# Altium PCB shoubing1.PcbDoc
Units mil, origin at the board's own origin, x right, y up, seen from the top; angles counter-clockwise.
Board outline 3891.38 x 2896.04 mil, 2 copper layers (Top Layer, Bottom Layer); 32 components, 50 nets, 141 pads, 56 vias.
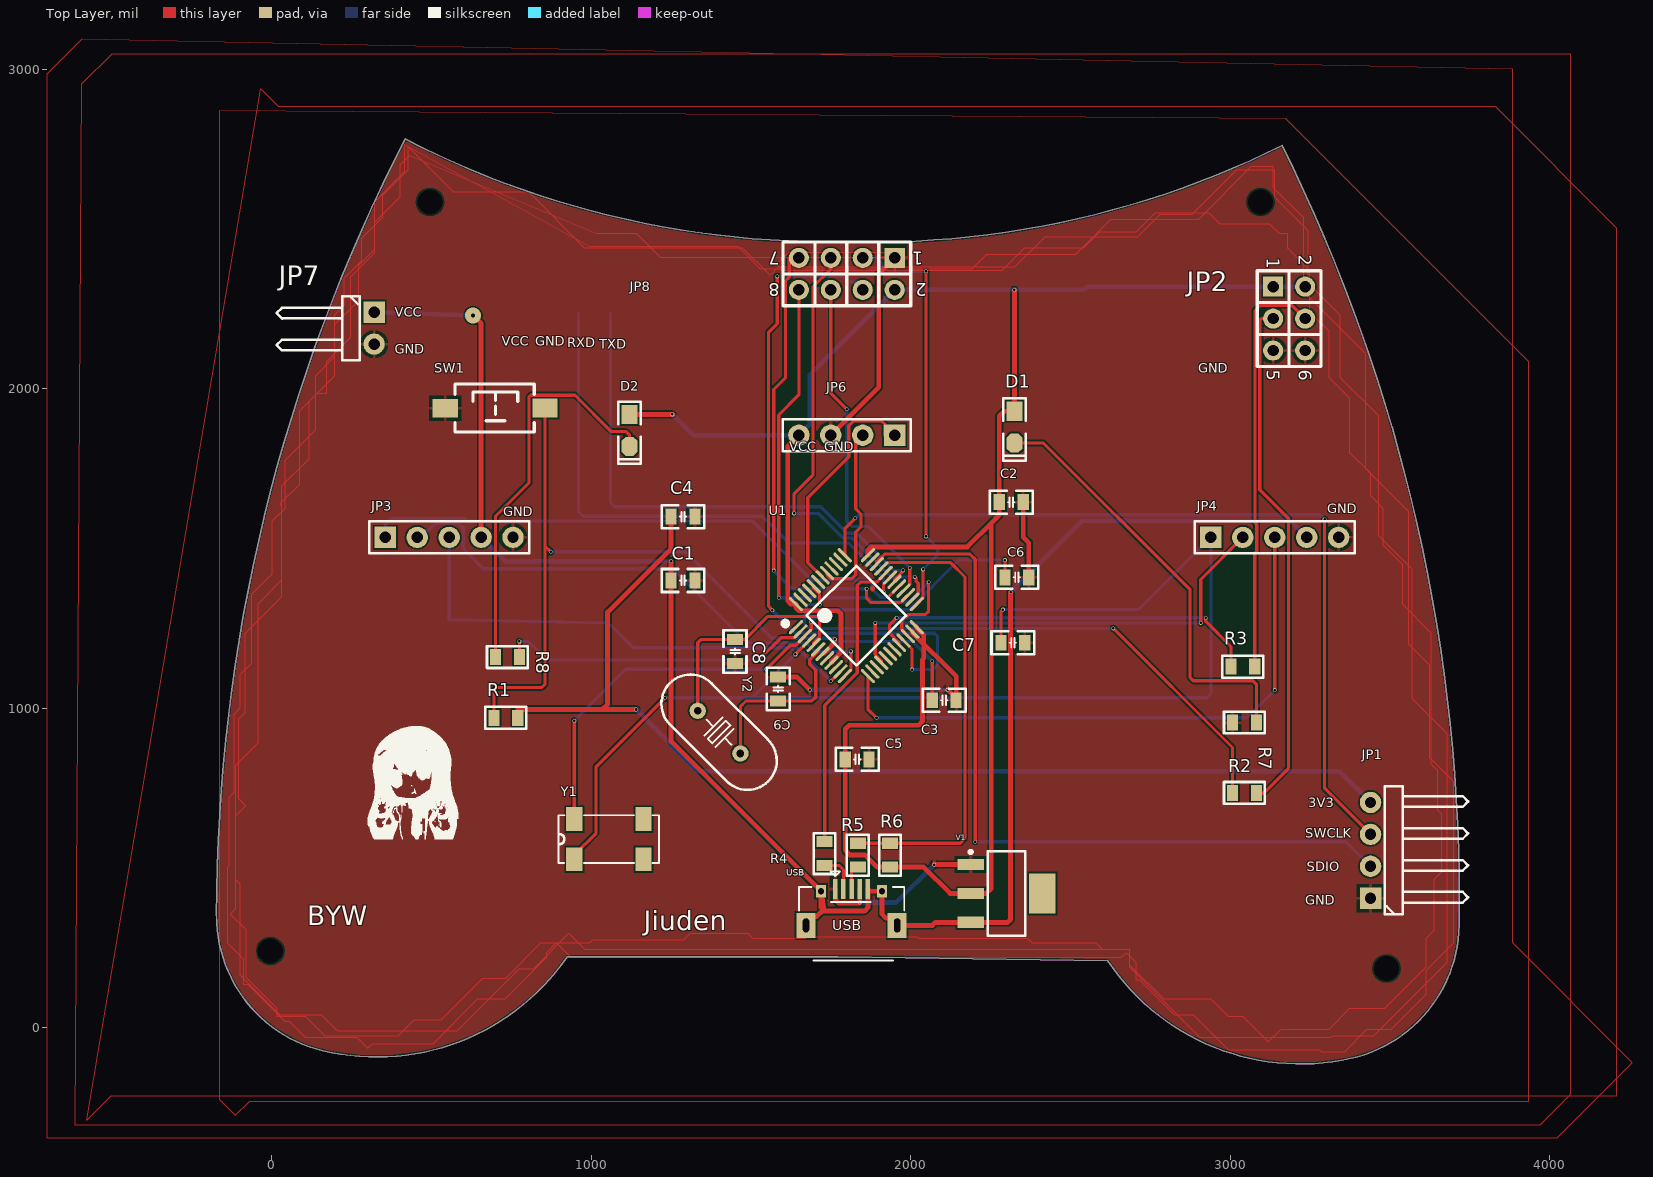
[diagram p0: Top Layer view]
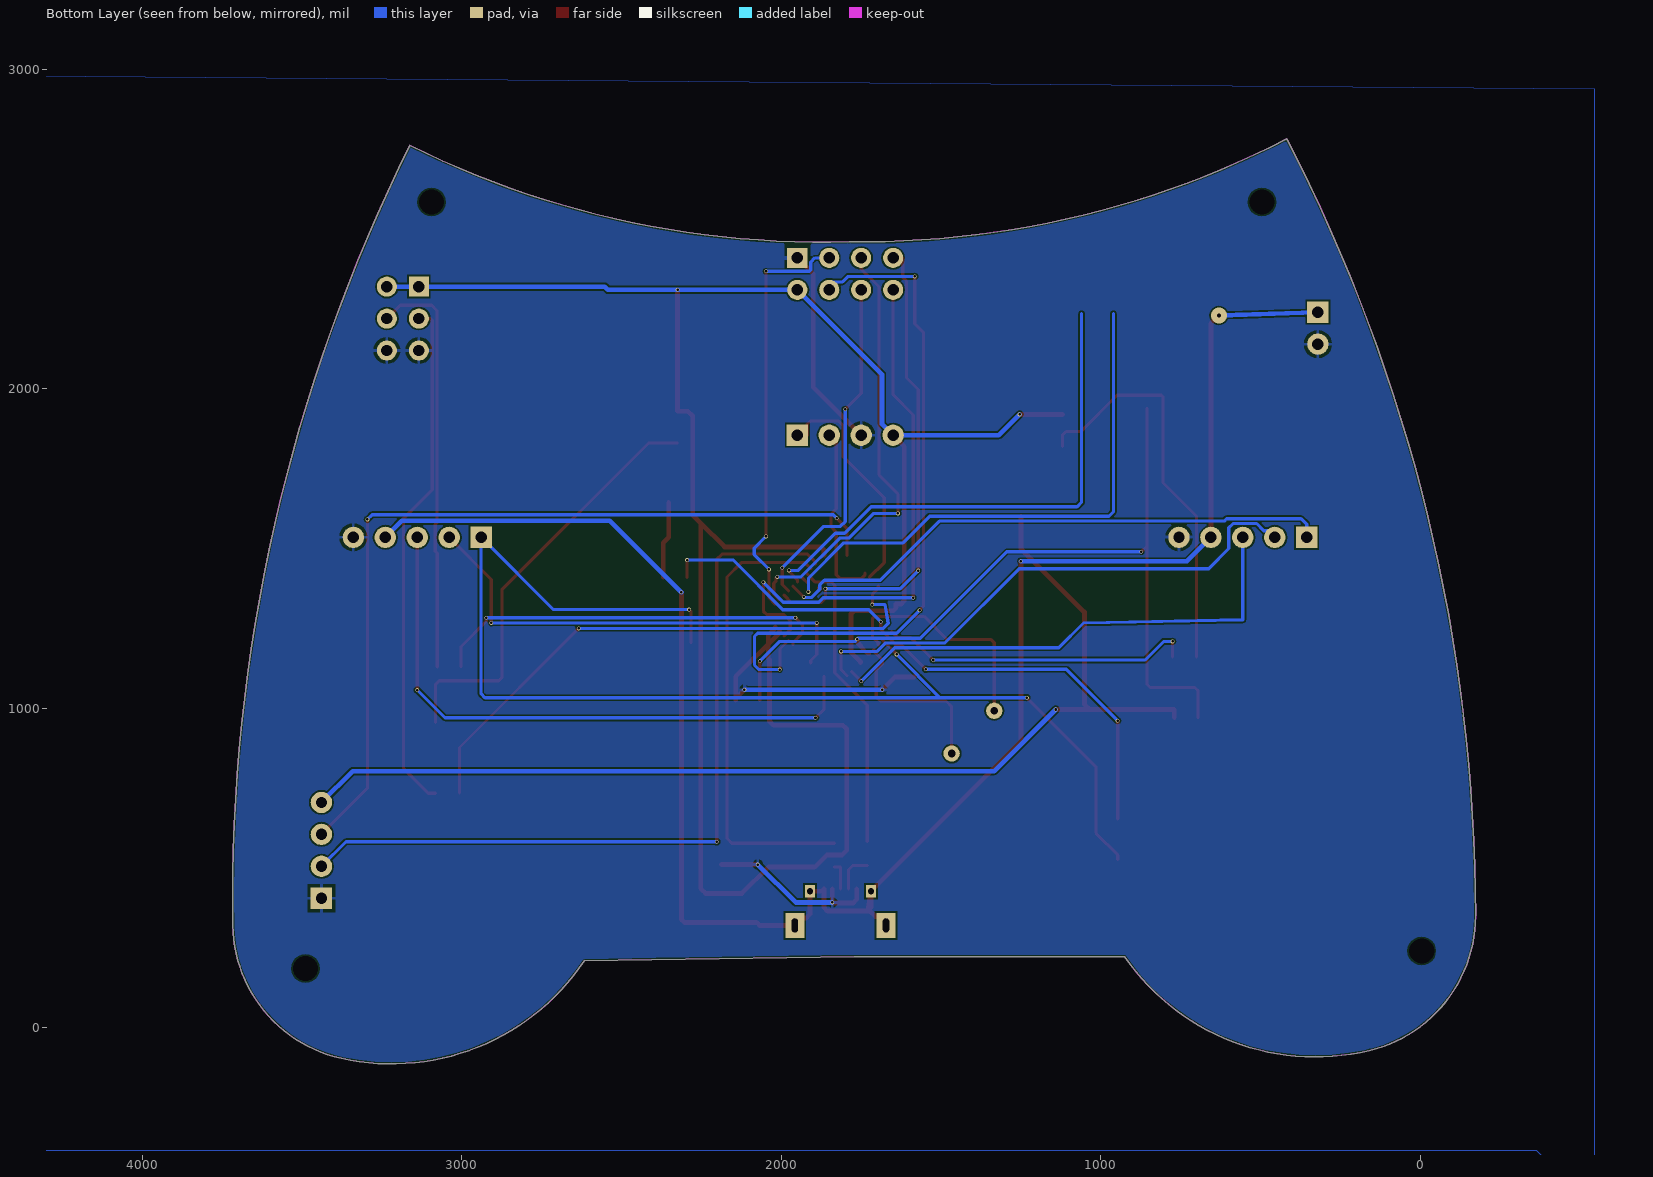
[diagram p1: Bottom Layer view, seen from below]

## Layer stack, top to bottom
Top Solder: solder mask 0.4, Solder Resist, Dk 3.5
Top Layer: signal copper 1.4
Dielectric 1: dielectric 12.6, FR-4, Dk 4.8
Bottom Layer: signal copper 1.4
Bottom Solder: solder mask 0.4, Solder Resist, Dk 3.5

## Board outline
159.5,-72.25 cw(c260.17,349.58) -173.5,349.58 cw(c5131.45,349.58) 417.27,2782.5 ccw(c1743.77,5352.79) 1787.79,2460.72 ccw(c1875.09,5351.81) 3162.97,2761.96 cw(c-1587.07,399.84) 3717.28,320.47 cw(c3283.66,326.96) 3378,-96.32 cw(c3220.38,610.91) 2617.44,209.04 1771.04,221.71 924.55,221.71 cw(c327.69,632.55)

## Design rules (kind name [scope] priority, off if disabled: settings)
Clearance [All] p1: gap=5 ignorepadtopadclearanceinfootprint=FALSE
HoleSize [All] p1: absolutevalues=TRUE maxlimit=14 minlimit=8 maxpercent=80.000 minpercent=20.000
PolygonConnect [All] p1: connectstyle=Relief reliefconductorwidth=10 reliefentries=4 polygonreliefangle="90 Angle" airgapwidth=10
RoutingVias [All] p1: holewidth=7.87 width=11.81 viastyle="Through Hole" minholewidth=3.94 minwidth=23.62 maxholewidth=7.87 maxwidth=11.81
SolderMaskExpansion [All] p1: expansion=4
Width Power [InNetClass('power')] p1: maxlimit=20 minlimit=5 preferedwidth=15
Width [InNetClass('All Nets')] p2: maxlimit=10 minlimit=10 preferedwidth=10
29 further rules are at their usual default settings.

## Classes and differential pairs
net class power: 3V3 +5 GND VCC

## Components (designator, comment, footprint, x,y, rotation, side; value= is the part's Value field where it differs from the comment)
C1 "106" "C 0805_L" 1287.4,1400 r180 top
C2 "104" "C 0805_L" 2315,1645 r180 top
C3 "104" "C 0805_L" 2105,1025 r180 top
C4 "104" "C 0805_L" 1287.4,1600 r180 top
C5 "104" "C 0805_L" 1832.6,840 r180 top
C6 "104" "C 0805_L" 2332.4,1410 r0 top
C7 "104" "C 0805_L" 2320,1205 r0 top
C8 "104" "C 0805_L" 1450,1177.6 r90 top
C9 "104" "C 0805_L" 1585,1060 r270 top
D1 "LED" "LED 0805G" 2325,1880 r270 top
D2 "LED" "LED 0805G" 1120,1870 r270 top
JP1 "HDR-1X4" HDR2.54-WI-4P 3440,555 r90 top
JP2 "Header3X2" HDR2.54-LI-2x3P 3185,2220 r270 top
JP3 "HDR-1X5" HDR2.54-LI-5P 555,1535 r0 top
JP4 "HDR-1X5" HDR2.54-M-LI-5P 3140,1535 r0 top
JP6 "HDR-1X4" HDR2.54-M-LI-4P 1800,1855 r180 top
JP7 "HDR-1X2" HDR2.54-WI-2P 320,2190 r270 top
JP8 "Header 4X2" HDR2.54-LI-2x4P 1800,2360 r180 top
R1 "10K" "R 0805_L" 732.4,970 r0 top
R2 "1K" "R 0805_L" 3045,735 r0 top
R3 "1K" "R 0805_L" 3040,1130 r180 top
R4 "1K" "R 0805_L" 1730,545 r90 top
R5 "1K" "R 0805_L" 1834.52,540 r90 top
R6 "1K" "R 0805_L" 1935,540 r90 top
R7 "680" "R 0805_L" 3045,955 r0 top
R8 "680" "R 0805_L" 737.4,1160 r0 top
SW1 "3x6x5" "TSW SMD-3*6*2.5" 700,1940 r0 top
U1 "STM32F103C8T6" "TQFP48 7x7_L" 1830,1290 r315 top
USB "USB-mrico" USB-micro_B 1815,320 r0 top
V1 "AMS1117-3V3" SOT223_L 2300,420 r0 top
Y1 "32.768K" MC-306 1055,590 r0 top
Y2 "12MHz" "OSC HC-49S" 1400,925 r135 top

## Footprints (in the part's own frame and the unit in brackets; to place one, negate y for a bottom-side part, rotate by r counter-clockwise, add the part's x,y. Pads: shape width x height; smd on the part's side, far side on the other; paste and mask are expansions set on the pad)
"C 0805_L" [mil] "无极性贴片电容                                        淘宝ID:黄晶宝石"
  rect 35x50 smd: 1(-37.4,0) 2(37.4,0)
  silkscreen extent -67,-36 67,36, body extent -39,-24 39,24, height 20
HDR2.54-LI-2x3P [mm] "双排排针，3x2脚"
  rect 1.6x1.6 hole 0.9: 1(-2.54,-1.27)
  round 1.6 hole 0.9: 2(-2.54,1.27) 3(0,-1.27) 4(0,1.27) 5(2.54,-1.27) 6(2.54,1.27)
  silkscreen extent -3.81,-2.54 3.81,2.54, body extent -3.81,-2.54 3.81,2.54, height 8.5
HDR2.54-LI-2x4P [mm] "双排排针，4x2脚"
  rect 1.6x1.6 hole 0.9: 1(-3.81,-1.27)
  round 1.6 hole 0.9: 2(-3.81,1.27) 3(-1.27,-1.27) 4(-1.27,1.27) 5(1.27,-1.27) 6(1.27,1.27) 7(3.81,-1.27) 8(3.81,1.27)
  silkscreen extent -5.08,-2.54 5.08,2.54, body extent -5.08,-2.54 5.08,2.54, height 8.5
HDR2.54-LI-5P [mm] "排针，5脚"
  rect 1.7x1.7 hole 0.9: 1(-5.08,0)
  round 1.7 hole 0.9: 2(-2.54,0) 3(0,0) 4(2.54,0) 5(5.08,0)
  silkscreen extent -6.35,-1.27 6.35,1.27, body extent -6.35,-1.27 6.35,1.27, height 8.5
HDR2.54-M-LI-4P [mm] "排母，4脚"
  rect 1.7x1.7 hole 0.9: 1(-3.81,0)
  round 1.7 hole 0.9: 2(-1.27,0) 3(1.27,0) 4(3.81,0)
  silkscreen extent -5.08,-1.27 5.08,1.27, body extent -5.08,-1.27 5.08,1.27, height 8.5
HDR2.54-M-LI-5P [mm] "排母，5脚"
  rect 1.7x1.7 hole 0.9: 1(-5.08,0)
  round 1.7 hole 0.9: 2(-2.54,0) 3(0,0) 4(2.54,0) 5(5.08,0)
  silkscreen extent -6.35,-1.27 6.35,1.27, body extent -6.35,-1.27 6.35,1.27, height 8.5
HDR2.54-WI-2P [mm] "弯脚排针，2脚"
  rect 1.7x1.7 hole 0.9: 1(-1.27,0)
  round 1.7 hole 0.9: 2(1.27,0)
  silkscreen extent -2.54,-7.76 2.54,-1.14, body extent -2.54,-7.77 2.54,1.27, height 4.85
HDR2.54-WI-4P [mm] "弯脚排针，4脚"
  rect 1.7x1.7 hole 0.9: 1(-3.81,0)
  round 1.7 hole 0.9: 2(-1.27,0) 3(1.27,0) 4(3.81,0)
  silkscreen extent -5.08,-7.76 5.08,-1.14, body extent -5.08,-7.77 5.08,1.27, height 4.85
"LED 0805G" [mil] "绿色0805LED"
  rect 60x50 smd: 1(-50,0)
  oct 60x50 smd: 2(50,0)
  silkscreen extent -90,-35 105,35, body extent -39,-25 39,25, height 32
MC-306 [mm]
  rect 1.3x1.9 smd: 1(-2.75,-1.6) 2(2.75,-1.6) 3(2.75,1.6) 4(-2.75,1.6)
  silkscreen extent -4,-1.9 4,1.9
"OSC HC-49S" [mm]
  round 1.3 hole 0.6: 1(-2.4,0) 2(2.4,0)
  silkscreen extent -5.52,-2.32 5.52,2.33, body extent -5.52,-2.32 5.53,2.33, height 4.13
"R 0805_L" [mil] "1/8W贴片电阻"
  rect 35x50 smd: 1(-37.4,0) 2(37.4,0)
  silkscreen extent -64,-34 64,34, body extent -39,-25 39,25, height 20
SOT223_L [mm] "SOT223, 4-Leads, Body 6.5x3.5mm, Pitch 2.3mm, Lead Span 7mm, IPC High Density"
  rect 2.1x0.9 smd: 1(-2.85,2.3) 2(-2.85,0) 3(-2.85,-2.3)
  rect 2.1x3.2 smd: 4(2.85,0)
  silkscreen extent -2.97,-3.35 1.5,3.42, body extent -1.85,-3.35 1.85,3.35, height 1.7
"TQFP48 7x7_L" [mm] "48脚，体宽：7x7mm, 脚距：0.5mm"
  oval 0.25x1.5 smd: 1(-2.75,-4.046) 2(-2.25,-4.046) 3(-1.75,-4.046) 4(-1.25,-4.046) 5(-0.75,-4.046) 6(-0.25,-4.046) 7(0.25,-4.046) 8(0.75,-4.046) 9(1.25,-4.046) 10(1.75,-4.046) 11(2.25,-4.046) 12(2.75,-4.046) 25(2.75,4.046) 26(2.25,4.046) 27(1.75,4.046) 28(1.25,4.046) 29(0.75,4.046) 30(0.25,4.046) 31(-0.25,4.046) 32(-0.75,4.046) 33(-1.25,4.046) 34(-1.75,4.046) 35(-2.25,4.046) 36(-2.75,4.046)
  oval 1.5x0.25 smd: 13(4.046,-2.75) 14(4.046,-2.25) 15(4.046,-1.75) 16(4.046,-1.25) 17(4.046,-0.75) 18(4.046,-0.25) 19(4.046,0.25) 20(4.046,0.75) 21(4.046,1.25) 22(4.046,1.75) 23(4.046,2.25) 24(4.046,2.75) 37(-4.046,2.75) 38(-4.046,2.25) 39(-4.046,1.75) 40(-4.046,1.25) 41(-4.046,0.75) 42(-4.046,0.25) 43(-4.046,-0.25) 44(-4.046,-0.75) 45(-4.046,-1.25) 46(-4.046,-1.75) 47(-4.046,-2.25) 48(-4.046,-2.75)
  silkscreen extent -3.68,-4.57 2.79,2.79, body extent -4.5,-4.5 4.5,4.5, height 1.05
"TSW SMD-3*6*2.5" [mm] "3*6*2.5mm"
  rect 2x1.5 smd: 1(-3.996,-0.02) 2(3.937,0)
  silkscreen extent -3.21,-1.9 3.09,1.9, body extent -4,-1.88 4,1.62, height 2.59
USB-micro_B [mm] "micro型USB ，5.7*7.8*2.5mm"
  rect 0.35x1.6 smd: 1(-1.3,2.9) 2(-0.65,2.9) 3(0,2.9) 4(0.65,2.9) 5(1.3,2.9)
  rect 1.5x2 hole 0.5 slot 1.1 at 90 deg: 5(-3.625,0) 5(3.625,0)
  rect 0.8x1 hole 0.5: 5(-2.425,2.71) 5(2.425,2.71)
  silkscreen extent -4.19,-2.79 4.19,4.3, body extent -4,-2.71 4,2.89, height 2.8

## Part data
C1 C2 C3 C4 C5 C6 C7 C8 C9: library part C, "贴片电容"
JP1 JP6: library part "Header 4", "4P接插件"
  JP6: BOM名称=4P, 学习资源=https://shop463601444.taob, 版权归属=·â×
JP2: library part "Header 3X2", "3*2P接插件"
JP3 JP4: library part "Header 5", "5P接插件", BOM名称=5P, 学习资源=https://shop463601444.taob, 版权归属=·â×
JP7: library part "Header 2", "2P接插件"
JP8: "4*2P接插件"
R1 R2 R3 R4 R5 R6 R7 R8: library part R, "贴片电阻"
SW1: library part "TSW 3x6", "3x6轻触开关", BOM名称=3x6Ç, 学习资源=https://shop463601444.taob, 版权归属=·â×
USB: library part usb-STM
V1: library part AMS1117, "三端稳压芯片", BOM名称=Î, 欢迎光临淘宝店铺=https://shop463601, 淘宝ID=封装库
Y1: library part XTAL, LatestRevisionDate=17-Jul-2002, LatestRevisionNote="Re-released for DXP Platform.", Published=8-Jun-2000, Publisher="Altium Limited"
Y2: library part XTAL-2P, "2脚无源脚晶振"

## Via types
v1: diameter 11.81, hole 7.87, Top Layer to Bottom Layer, 51 vias
v2: diameter 50/50 (per signal layer), hole 78.74, Top Layer to Bottom Layer, 4 vias
v3: diameter 50/50 (per signal layer), hole 13, Top Layer to Bottom Layer, 1 vias

## Nets (pads, with @x,y where several pads share a name; then routed paths per layer and width w, separated by ;. In a path a pad name is that pad's centre, name@x,y a point inside that pad or via, vN(x,y) a via of type N, cw(c..) or ccw(c..) an arc to the next point about the centre after c; other vN are vias at no path point)
3V3: C4.2 JP1.4 R1.2 | length 3509.8
  Top Layer w15: R1.2 769.8,996 1035,996 ; v1(1141,996) 1035,996 ; C4.2 1250,1500 1051,1301 1051,1012 1035,996
  Bottom Layer w15: v1(1141,996) 1334,803 3342,803 JP1.4
+5: C1.2 JP3.4 JP4.4 JP7.1 USB.5 V1.3 | length 5910.6
  Top Layer w15: v3(630,2230) 655,2205 JP3.4 ; v1(1250,1460) C1.2 1250,896.22 USB.5@1719.53,426.69 ; USB.5@1672.28,320 1672.28,347 1705,347 1726.26,368.26 ; v1(2313,1363) 2313,338.45 2304,329.45 V1.3 2077.45,329.45 2068,320 1957.72,320 1957.72,343 1922.47,343 1910.47,355 1910.47,426.69 1873.66,426.69 1866.18,434.17 1866.18,375 1856.18,365 1729.53,365 ; USB.5@1719.53,426.69 1729.53,365 ; USB.5@1719.53,426.69 1719.53,375 1726.26,368.26 ; 1726.26,368.26 1729.53,365
  Bottom Layer w15: JP7.1 v3(630,2230) ; JP3.4 730,1460 v1(1250,1460) ; v1(2313,1363) 2537,1587 3188,1587 JP4.4
BOOT0: R2.1 U1.44 | length 1810.1
  Top Layer w10: U1.44 1696.48,1375.02 1715,1356.51 v1(1715,1324.45) ; v1(2634.6,1250) 3007.6,877 R2.1
  Bottom Layer w10: v1(1715,1324.45) 1675,1324.45 1665,1265.91 1680.91,1250 v1(2634.6,1250)
BOOT1: R3.2 U1.20 | length 1259.6
  Top Layer w10: v1(1956,1283) 1934.09,1261.09 1934.09,1234.4 1963.52,1204.98 U1.20 ; v1(2924,1283) 2924,1271.81 3002.6,1193.21 R3.2
  Bottom Layer w10: v1(1956,1283) v1(2924,1283)
GND: C1.1 C2.1 C3.1 C4.1 C5.1 C6.2 C7.2 C8.1 C9.1 JP1.1 JP2.5 JP2.6 JP3.5 JP4.5 JP6.3 JP7.2 JP8.1 R7.1 SW1.1 U1.8 U1.23 U1.35 U1.47 USB.1 USB.4 V1.1 | length 2293.7
  Top Layer w15: C9.1 1644.59,1097.41 v1(1684,1058) ; JP6.3 1900,2005 1900,2360 JP8.1 ; USB.1 1763.82,401.18 1775,390 1838.59,390 v1(1840.59,392) USB.4 ; 1880.44,1373.52 1880.44,1376.72 ; U1.23 2005.27,1236.8 2142.4,1099.67 C3.1@2142.4,1031 ; v1(2073.55,510.55) V1.1 ; v1(2115.4,1058) C3.1@2142.4,1031 ; C3.1 C3.1@2142.4,1031 ; C2.1 2352.4,1535.4 2369.8,1518 C6.2
  Bottom Layer w15: v1(1684,1058) v1(2115.4,1058) ; v1(1840.59,392) 1955,392 v1(2073.55,510.55)
NetD1_2: D1.2 R7.2 | length 1351.2
  Top Layer w10: D1.2 2416,1830 2875,1371 2875,1096 2885,1086 3071.4,1086 3082.4,1075 R7.2
NetD2_2: D2.2 R8.1 | length 1262.3
  Top Layer w10: R8.1 700,1601 805,1706 805,1975 810,1980 949,1980 1063,1866 1109,1866 1120,1855 D2.2
NetJP2_3: JP2.3 R2.2 | length 1618.6
  Top Layer w10: R2.2 3082.4,734 3105,734 3183.47,812.47 3183.47,1593.47 3093,1683.93 3093,2215 3098,2220 JP2.3
NetJP2_4: JP2.4 R3.1 | length 1301.2
  Top Layer w10: R3.1 3077.4,1485.47 3083.47,1491.53 3083.47,1575.53 3078,1581 3078,2245 3095,2262 3193,2262 JP2.4
NetR4_1: R4.1 USB.2 | length 125.4
  Top Layer w10: R4.1 1776.81,507.6 1789.41,495 USB.2
NetR5_1: R5.1 USB.3 | length 87.9
  Top Layer w10: USB.3 1815,502.6 R5.1
NRST: C3.2 R1.1 SW1.2 U1.7 | length 2728.7
  Top Layer w10: R1.1 695,1055 705,1065 845,1065 855,1075 855,1508 ; SW1.2 855,1508 ; v1(873,1490) 855,1508 ; U1.7 U1.7@1731.06,1170.4 ; v1@1759.49,1219.41 v1(1763,1215.9) ; C3.2 v1(2067.6,1147.4) ; U1.7@1731.06,1170.4 v1(1763,1215.9) ; U1.7@1731.06,1170.4 1763,1202.35 v1(1763,1215.9)
  Bottom Layer w10: v1(873,1490) 1293.95,1490 1564.55,1219.41 1759.49,1219.41 v1(1763,1215.9) 1770.31,1208.59 2006.41,1208.59 v1(2067.6,1147.4)
OSCIN: C8.2 U1.5 Y2.2 | length 721.9
  Top Layer w10: Y2.2 1333.19,1205 1343.19,1215 C8.2 1480.32,1215 1553,1287.68 1707.32,1287.68 1715,1280 1715,1223.49 1696.48,1204.98 U1.5
OSCOUT: C9.2 U1.6 Y2.1 | length 565
  Top Layer w10: Y2.1 1466.81,1005 1484.42,1022.6 C9.2 1690.6,1022.6 1703,1035 1703,1119 1683,1139 1683,1150.19 1709.4,1176.58 1709.4,1184.32 U1.6
PA0: U1.10
PA1: JP3.3 U1.11 | length 1571
  Top Layer w10: v1(1750.09,1084.82) U1.11
  Bottom Layer w10: JP3.3 555,1277 1054,1267 1131.59,1189.41 1645.5,1189.41 v1(1750.09,1084.82)
PA2: JP3.2 U1.12 | length 1677.4
  Top Layer w10: U1.12 1813,1119.89 v1(1813,1178)
  Bottom Layer w10: JP3.2 455,1556 489.53,1556 512,1578.47 585.53,1578.47 599,1565 599,1500 662,1437 1254.97,1437 1487.57,1204.41 1673.59,1204.41 1700,1178 v1(1813,1178)
PA3: JP4.3 U1.13 | length 1903
  Top Layer w10: U1.13 1866.08,996.92 v1(1893,970) ; v1(3140,1057) JP4.3
  Bottom Layer w10: v1(1893,970) 3053,970 v1(3140,1057)
PA4: U1.14
PA5: U1.15
PA6: JP4.2 U1.16 | length 1473.9
  Top Layer w10: v1(1889,1267) 1889,1168.14 1907.84,1149.3 U1.16 ; v1(2908,1267) 2908,1403 JP4.2
  Bottom Layer w10: v1(1889,1267) v1(2908,1267)
PA7: U1.17
PA8: JP3.1 U1.29 | length 1781.3
  Top Layer w10: v1(1930.1,1348.34) U1.29
  Bottom Layer w10: JP3.1 355,1576 372.47,1593.47 606,1593.47 613.47,1586 1505.18,1586 1690.18,1401 1865,1401 1879.86,1386.14 1879.86,1372.23 1905,1347.09 1928.85,1347.09 v1(1930.1,1348.34)
PA9: U1.30 | length 1641.2
  Top Layer w10: U1.30 1949.6,1402.41 1976,1428.81 v1(1976,1431.47)
  Bottom Layer w10: 1060,2235 1060,1645 1074,1631 1718.72,1631 1802.04,1547.68 1830.74,1547.68 1946.94,1431.47 v1(1976,1431.47)
PA10: U1.31 | length 1758.3
  Top Layer w10: v1(1915,1364) 1915,1388.92 U1.31
  Bottom Layer w10: 960,2235 960,1615 974,1601 1535.42,1601 1618.74,1517.68 1804.32,1517.68 1915,1407 v1(1915,1364)
PA11: R4.2 U1.32 | length 950.6
  Top Layer w10: R4.2 1731,582.4 1731,1009 1833,1111 1833,1385 1843,1395 1893.24,1395 U1.32
PA12: R5.2 R6.2 U1.33 | length 1448.8
  Top Layer w10: R5.2 R6.2 2155,577.4 2170,592.4 2170,1411 2125,1456 1926.4,1456 U1.33
PA15: U1.38
PB0: U1.18
PB1: U1.19
PB3: U1.39
PB4: U1.40
PB5: JP6.2 U1.41 | length 579.4
  Top Layer w10: U1.41 1738.24,1416.78 1749.91,1405.11 1815,1405.11 1828,1418.11 1828,1551.09 1844.63,1567.72 1844.63,1607.91 1828,1624.53 1828,1855 JP6.2
PB6: JP6.1 U1.42 | length 736.1
  Top Layer w10: U1.42 1678,1455.92 1678,1659 1806,1787 1806,1885 1820,1899 1910,1899 1919,1890 1919,1855 JP6.1
PB7: U1.43
PB8: U1.45
PB9: U1.46
PB10: JP8.4 U1.21 | length 2189.4
  Top Layer w10: v1(1567,1307) 1555.09,1318.91 1555.09,2177.09 1582,2204 v1(1582,2352) ; U1.21 2004.05,1185.54 2004.05,1122.05 v1(2005.1,1121)
  Bottom Layer w10: v1(1567,1307) 1639,1235 2074,1235 2084,1225 2084,1135 2070,1121 v1(2005.1,1121) ; v1(1582,2352) 1791,2352 1808,2335 1850,2335 JP8.4
PB11: JP8.8 U1.22 | length 1732.4
  Top Layer w10: v1(1587,1346) 1587,1918 1650,1981 JP8.8 ; U1.22 1972,1245.44 1972,1273 1992,1293 2045,1293 2056,1304 v1(2056,1394.1)
  Bottom Layer w10: v1(1587,1346) 1869.19,1346 1883.09,1332.09 1993.99,1332.09 v1(2056,1394.1)
PB12: JP8.3 U1.25 | length 1314.3
  Top Layer w10: U1.25 2038.68,1345.56 v1(2038.68,1434.68) ; v1(2048,1538) v1(2048,2368)
  Bottom Layer w10: JP8.3 1895,2410 1908,2397 1908,2372.5 1912.5,2368 v1(2048,2368) ; v1(2038.68,1434.68) 2085,1481 2085,1501 v1(2048,1538)
PB13: JP8.5 U1.26 | length 1391.4
  Top Layer w10: v1(1635,1610) 1635,1671 1694,1730 1694,2319 1750,2375 JP8.5 ; U1.26 2023.68,1358.4 2023.68,1391 2017,1397.68 2017,1407.5 2013.5,1411 v1(2013,1411)
  Bottom Layer w10: v1(1635,1610) 1711,1610 1788.32,1532.68 1817.32,1532.68 1939,1411 v1(2013,1411)
PB14: JP8.7 U1.27 | length 1518.1
  Top Layer w10: v1(1571,1431) 1571,1998 1608,2035 1608,2338 1620,2350 1620,2410 JP8.7 ; v1(1862,1374) 1862,1344 1875,1331 1968.44,1331 U1.27
  Bottom Layer w10: v1(1571,1431) 1628,1374 v1(1862,1374)
PB15: JP8.6 U1.28 | length 1083.4
  Top Layer w10: JP8.6 1750,1986 v1(1800,1936) ; U1.28 1997,1387.4 v1(1997,1440)
  Bottom Layer w10: v1(1800,1936) 1800,1584.41 1815,1569.41 1867.59,1569.41 v1(1997,1440)
PC13: R8.2 U1.2 | length 989.8
  Top Layer w10: R8.2 v1(774.8,1209) ; v1(1524.62,1151) 1594.85,1221.24 1635.96,1221.24 U1.2
  Bottom Layer w10: v1(774.8,1209) 803,1209 861,1151 v1(1524.62,1151)
PC14: C6.1 U1.3 Y1.4 | length 1932.9
  Top Layer w10: Y1.4 946.73,960.73 v1(947,961) ; v1(1547.72,1122) 1623,1197.28 1639.84,1197.28 U1.3 1689,1246.44 v1(1689,1271) ; C6.1 v1(2295,1464)
  Bottom Layer w10: v1(947,961) 1108,1122 v1(1547.72,1122) ; v1(1689,1271) 1726.54,1308.54 1995.26,1308.54 2150.72,1464 v1(2295,1464)
PC15: C7.1 JP4.1 U1.4 Y1.1 | length 3932.4
  Top Layer w10: Y1.1 946.73,540.73 1015,609 1015,817 v1(1231,1033) ; v1(1639,1168.6) U1.4 ; C7.1 2282.59,1302.59 v1(2289,1309)
  Bottom Layer w10: v1(1231,1033) 1503.4,1033 ; v1(1639,1168.6) 1503.4,1033 ; v1(2289,1309) 2714,1309 JP4.1 2940,1045 2928,1033 1503.4,1033
SWCLK: JP1.3 U1.37 | length 2655.1
  Top Layer w10: U1.37 1793.92,1562.2 v1(1826.21,1594.49) ; v1(3296,1591) 3296,749 JP1.3
  Bottom Layer w10: v1(1826.21,1594.49) 1837.72,1606 3281,1606 v1(3296,1591)
SWDIO: JP1.2 U1.34 | length 2486.1
  Top Layer w10: U1.34 1893.92,1458.09 1918.83,1483 2185,1483 2202,1466 v1(2202,582)
  Bottom Layer w10: v1(2202,582) 3363,582 JP1.2
VBAT: U1.1
VCC: C2.2 C5.2 D1.1 D2.1 JP2.1 JP2.2 JP6.4 JP8.2 R6.1 U1.9 U1.24 U1.36 U1.48 V1.2 | length 7131.6
  Top Layer w15: D2.1 v1(1254,1920) ; JP6.4 1615,1820 1615,1336.08 1625,1326.08 U1.48 1640.81,1314.37 1650,1305.18 1771.82,1305.18 1782,1295 1782,1175.6 1752.16,1145.76 U1.9 ; U1.36 1866.08,1495 1876.08,1505 2177.6,1505 2252,1579.4 ; U1.24 2019.19,1250.72 2041,1228.91 2041,1156 2037,1152 2037,959 2025,947 1807.2,947 1795.2,935 C5.2 1795.2,555 1810.2,540 1858,540 1895.4,502.6 R6.1 2041,502.6 2123.6,420 V1.2 2237,420 2252,435 2252,1579.4 ; v1(2325,2310) D1.1 2292.6,1930 2277.6,1915 C2.2 2277.6,1605 2252,1579.4
  Bottom Layer w15: v1(1254,1920) 1319,1855 JP6.4 1685.14,1890.14 1685.14,2045.14 JP8.2 v1(2325,2310) 2543,2310 2553,2320 JP2.1 JP2.2
pads on no net: V1.4 Y1.2 Y1.3
copper on no net:
  other v2: 3490,185 -5,240 495,2585 3095,2585

## Polygon pours and split planes (outlines as drawn)
GND on Top Layer (solid, remove dead copper, pour order 28): -620,2960 -620,-315 -225,-710 130,-355 4570,-355 4570,2120 3760,2930
GND on Top Layer "Top Layer-GND" (solid, remove dead copper, shelved, pour order 20): -595,3095 -705,2985 -705,-345 4025,-345 4260,-110 3885,265 3885,3000
no net on Top Layer "Top Layer-No Net 6" (solid, shelved, pour order 16): -595,2955 -500,3050 4065,3050 4065,-210 3970,-305 -615,-305
no net on Top Layer "Top Layer-No Net 5" (solid, remove dead copper, shelved, pour order 14): -35,2940 20,2885 3830,2885 4210,2505 4210,-215 -505,-215 -580,-290
no net on Top Layer "Top Layer-No Net 4" (solid, remove dead copper, shelved, pour order 12): 430,2730 400,2700 400,2600 320,2520 320,2435 270,2385 270,2275 195,2200 195,2039.61 115,1959.61 115,1780 30,1695 30,1347.5 -85,1232.5 -85,985 -105,965 -105,717.5 -82.5,695 -115,662.5 -115,370 -130,355 -82.5,307.5 -82.5,157.5 15,60 15,35 105,35 165,-25 395,-25 445,25 530,25 660,155 732.5,155 842.5,265 995,265 1005,275 1290,275 1310,295 1490,295 1505,280 1671.48,280 1676.48,285 2020,285 2025,280 2365,280 2380,265 2580,265 2600,245 2685,245 2685,197.5 2792.5,90 2940,90 2995,35 3040,35 3120,-45 3160,-5 3310,-5 3375,60 3485,60 3615,190 3615,280 3640,305 3640,465 3662.5,487.5 3662.5,667.5 3650,680 3650,805 3630,825 3630,985 3625,990 3630,995 3630,1235 3540,1325 3540,1450 3480,1510 3480,1625 3440,1665 3440,1735 3375,1800 3375,1970 3310,2035 3310,2180 3250,2240 3250,2370 3180,2440 3180,2485 3155,2485 3125,2515 2970,2515 2935,2550 2765,2550 2705,2490 2590,2490 2540,2440 2355,2440 2285,2370 1600,2370 1580,2390 1617.5,2427.5 1972.5,2427.5 1950,2405 1945,2410 1217,2410 1142,2485 1015,2485
no net on Top Layer "Top Layer-No Net 3" (solid, shelved, pour order 8): 415,2765 415,2680 320,2585 320,2425 245,2350 245,2160 170,2085 170,1985 140.79,1985 85,1929.21 85,1699.69 25,1639.69 30,1634.69 30,1400 -45,1325 -45,890 -115,820 -115,465 -100,450 -100,165 25,40 155,40 205,-10 580,-10 775,185 820,185 930,295 980,245 2685,245 2685,190 2905,-30 3315,-30 3320,-25 3450,-25 3680,205 3680,920 3570,1030 3570,1435 3465,1540 3465,1915 3345,2035 3345,2230 3230,2345 3230,2535 3135,2630 3135,2695 3065,2695 2900,2530 2625,2530 2515,2420 2236,2420 2191,2375 1530,2375 1460,2445 995,2445
no net on Top Layer "Top Layer-No Net" (solid, shelved, pour order 6): 425,2760 425,2685 345,2605 345,2535 280,2470 280,2400 225,2345 225,2260 195,2230 195,2100 135,2040 135,1870 40,1775 40,1625 0,1585 0,1420 -65,1355 -65,1140 -100,1105 -100,1000 -120,980 -120,735 -135,720 -135,505 -140,500 -140,265 -90,215 -90,135 -75,135 40,20 55,20 105,-30 265,-30 300,-65 315,-50 505,-50 645,90 730,90 860,220 860,235 890,265 935,220 2660,220 2675,235 2705,205 2705,150 2715,150 2825,40 2885,40 2995,-70 3280,-70 3285,-75 3360,-75 3360,-73.47 3428.47,-5 3505,-5 3615,105 3615,180 3700,265 3700,770 3625,845 3625,1135 3560,1200 3560,1615 3425,1750 3425,2110 3245,2290 3245,2495 3140,2600 3140,2685 3020,2685 2880,2545 2780,2545 2710,2475 2420,2475 2325,2380 1585,2380 1560,2355 1475,2440 980,2440 805,2615 570,2615
no net on Top Layer "Top Layer-No Net 1" (solid, remove dead copper, shelved, pour order 2): -165,2870 -165,-225 -115,-275 -70,-230 3935,-230 3935,2085 3175,2845
no net on Top Layer "Top Layer-No Net 2" (solid, remove dead copper, shelved, pour order 0): 415,2765
GND on Bottom Layer (solid, remove dead copper, pour order 30): 175,3020 -495,2350 -495,275 105,-325 205,-225 3770,-225 3770,-115 4460,575 3825,1210 3825,2685 3555,2685 3155,3085
GND on Bottom Layer "Bottom Layer-GND" (solid, remove dead copper, shelved, pour order 22): -545,2940 -545,-515 -520,-540 -365,-385 4580,-385 4580,2770 4370,2980

## Keep-outs
Keep-Out Layer:
  lines w0.5: -173.5,349.58 cw(c5131.45,349.58) 417.27,2782.5 ; -173.5,349.58 ccw(c260.17,349.58) 159.5,-72.25 ; -173.5,349.58 cw(c5131.45,349.58) 417.27,2782.5 ; -173.5,349.58 ccw(c260.17,349.58) 159.5,-72.25 ; 159.5,-72.25 ccw(c327.69,632.55) 924.55,221.71 ; 159.5,-72.25 ccw(c327.69,632.55) 924.55,221.71 ; 417.27,2782.5 ccw(c1743.77,5352.79) 1787.79,2460.72 ; 417.27,2782.5 ccw(c1743.77,5352.79) 1787.79,2460.72 ; 924.55,221.71 1771.04,221.71 ; 924.55,221.71 1771.04,221.71 ; 1771.04,221.71 2617.44,209.04 ; 1771.04,221.71 2617.44,209.04 ; 1787.79,2460.72 ccw(c1875.09,5351.81) 3162.97,2761.96 ; 1787.79,2460.72 ccw(c1875.09,5351.81) 3162.97,2761.96 ; 2617.44,209.04 ccw(c3220.38,610.91) 3378,-96.32 ; 2617.44,209.04 ccw(c3220.38,610.91) 3378,-96.32 ; 3162.97,2761.96 cw(c-1587.07,399.84) 3717.28,320.47 ; 3162.97,2761.96 cw(c-1587.07,399.84) 3717.28,320.47 ; 3378,-96.32 ccw(c3283.66,326.96) 3717.28,320.47 ; 3378,-96.32 ccw(c3283.66,326.96) 3717.28,320.47

## Other copper
Top Layer:
  pour cut-out: 1581,2650

## Silkscreen, mask and mechanical layers (free items; w line width, h text height)
Top Overlay:
  drawing of 2263 lines, arcs and shapes, not listed
  text "VCC" at 385,2225 h30
  text "VCC" at 720,2135 h30
  text "GND" at 825,2135 h30
  text "RXD" at 924.33,2130 h30
  text "TXD" at 1025,2125 h30
  text "GND" at 385,2110 h30
  text "GND" at 2900,2050 h30
  text "VCC" at 1620,1805 h30
  text "GND" at 1730,1805 h30
  text "GND" at 3305,1610 h30
  text "GND" at 725,1601 h30
  text "3V3" at 3245,690 h30
  text "SWCLK" at 3235,595 h30
  text "SDIO" at 3240,490 h30
  text "GND" at 3235,385 h30
  text "BYW" at 110,320 h60
  text "Jiuden" at 1165,304.17 h60
Mechanical2:
  the board outline again, w0.5
Mechanical1:
  the board outline again, w0.5

## Text inside footprints (layer, text, board x,y; h text height)
JP2: Top Overlay "1" at 3115,2410 h40 r270; Top Overlay "2" at 3215,2420 h40 r270; Top Overlay "5" at 3115,2060 h40 r270; Top Overlay "6" at 3215,2060 h40 r270
JP8: Top Overlay "7" at 1590,2430 h40 r180; Top Overlay "2" at 2050,2330 h40 r180; Top Overlay "1" at 2040,2430 h40 r180; Top Overlay "8" at 1590,2330 h40 r180